# Allegro board TubiiPCB_V6.brd (continued)
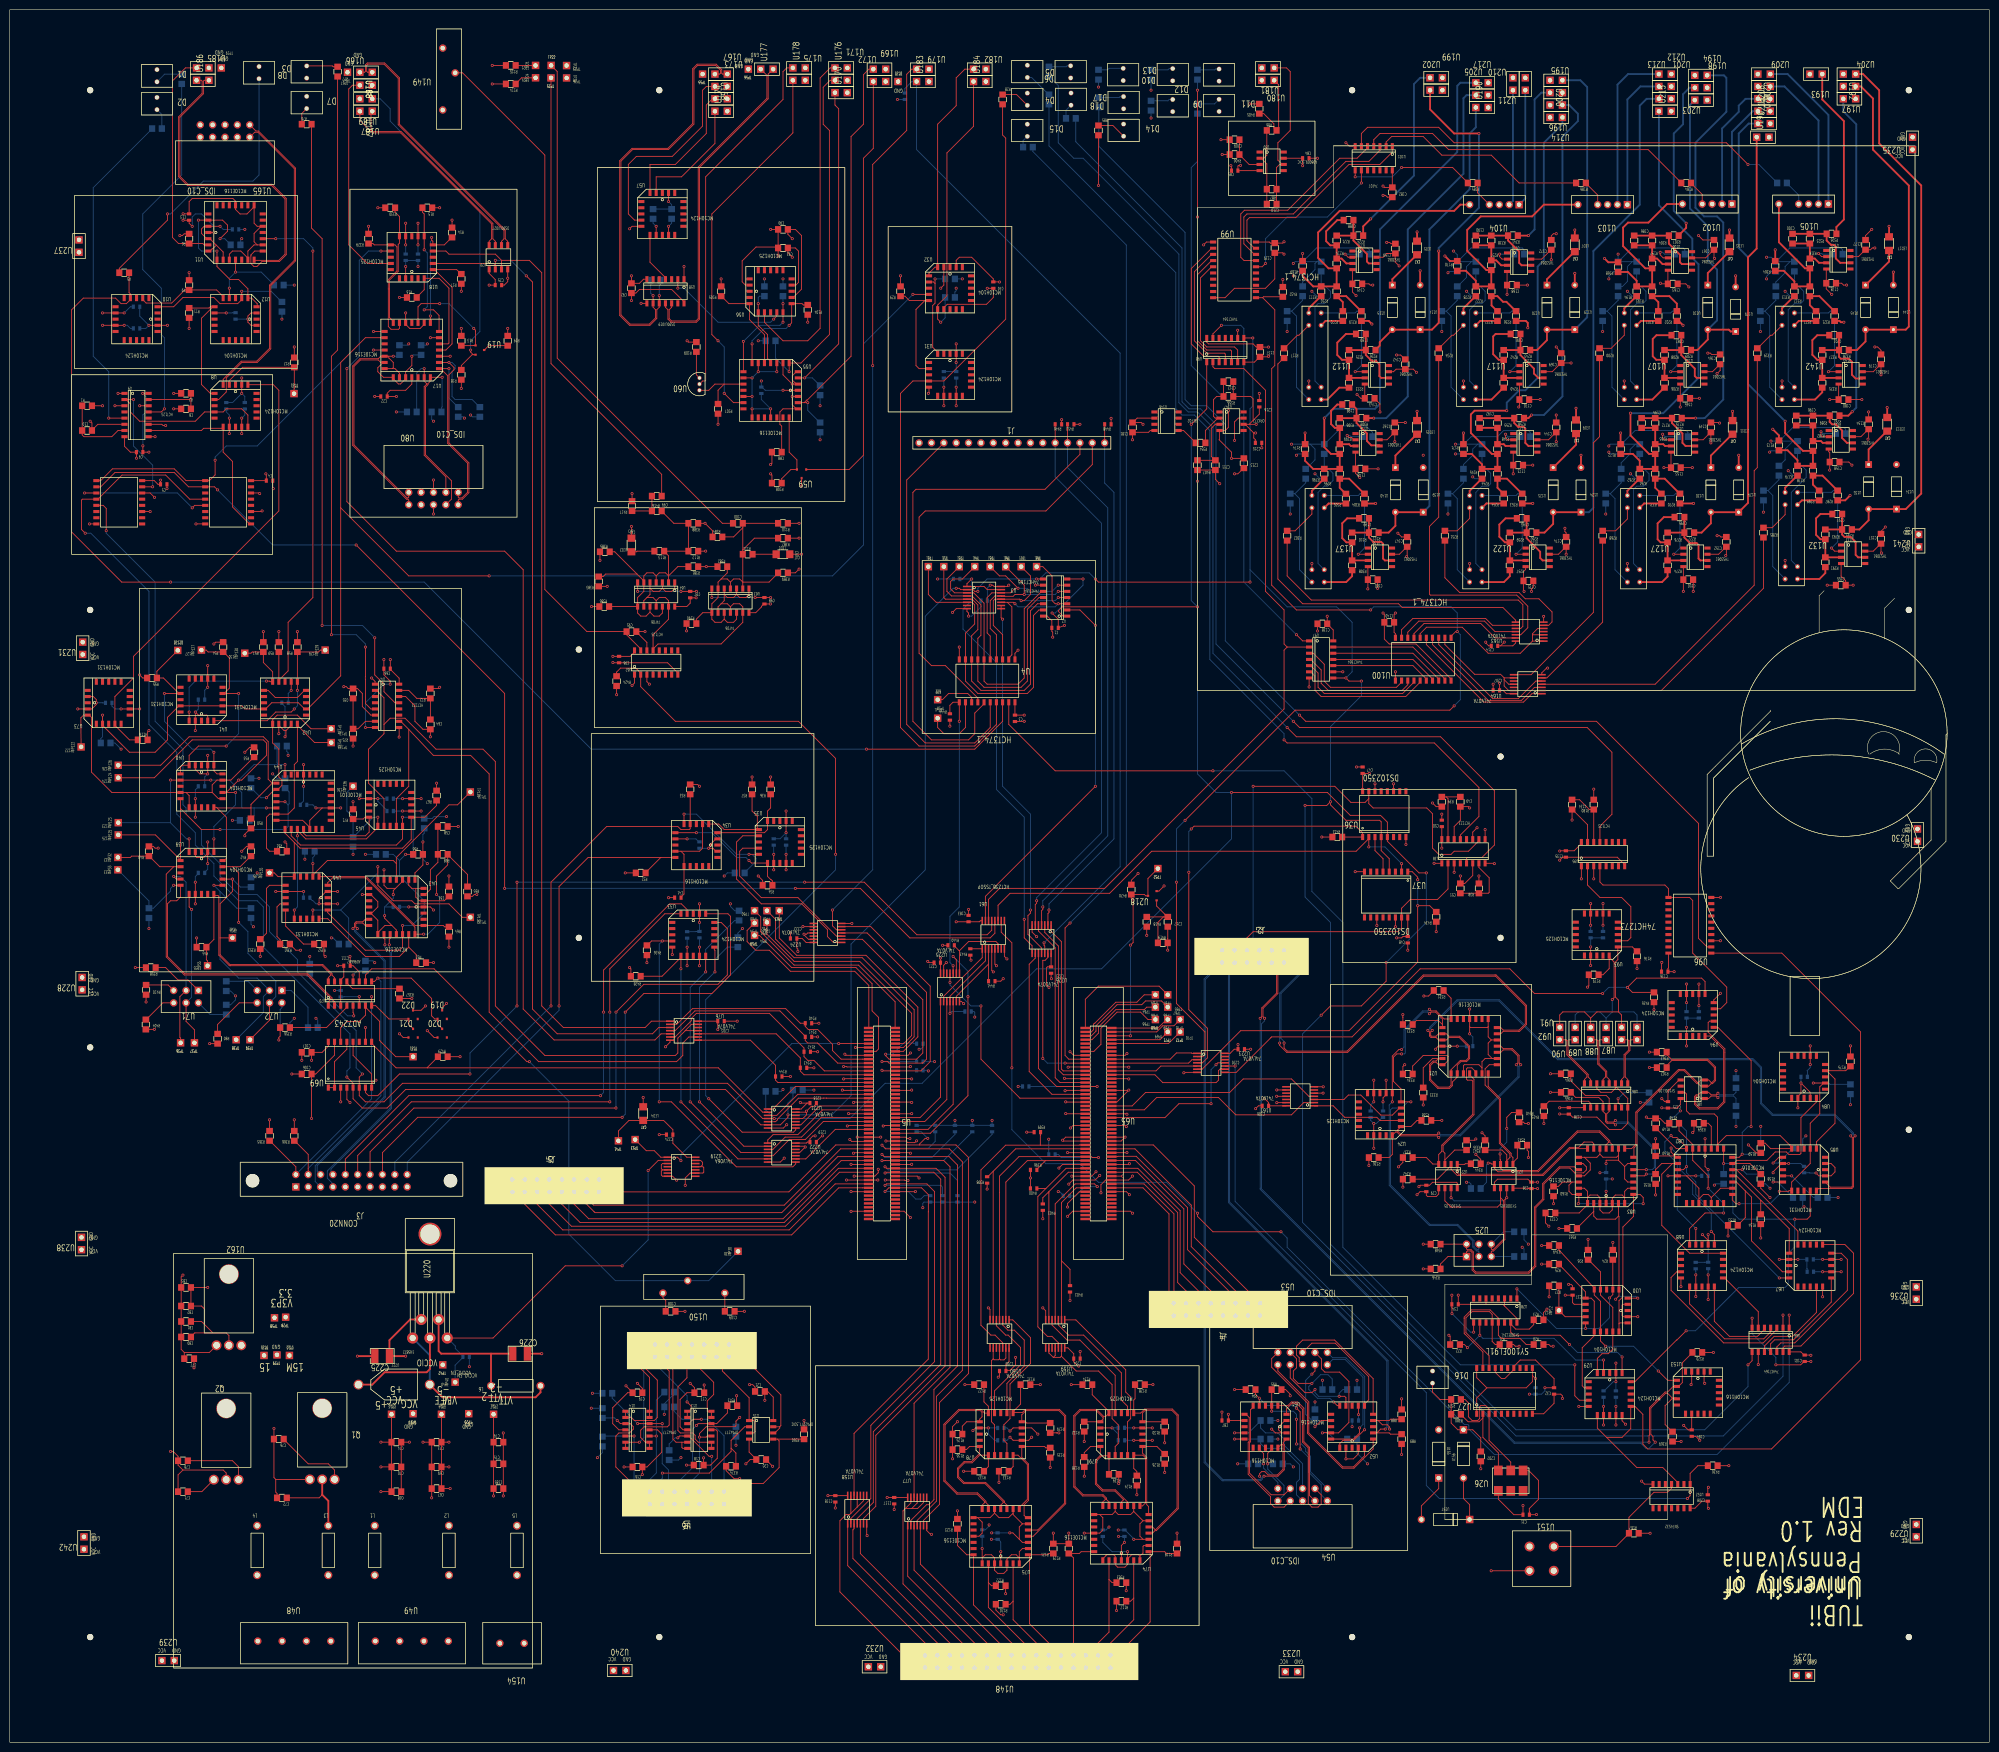
[diagram p0: board, top side]
## Routing (per net, layer and track width the routed paths; a pad name or vN(x,y) marks a point on that pad's centre or on a via; arc(x,y) is an arc through that point) (continued)
  TOP w0.381: v1(311.78,309.25) R241.2
  BOTTOM w0.381: U195.1 314.45,338.58 313.05,337.19 313.05,310.51 v1(311.78,309.25)
UNNAMED_1_FRONTPORTS_I2_SCOP<4>: length 73
  TOP w0.381: v1(312.42,272.42) 311.78,271.78 R258.2
  BOTTOM w0.381: U196.1 320.17,336.04 321.94,334.26 321.94,332.74 318.77,329.56 318.77,276.23 314.96,272.42 v1(312.42,272.42)
UNNAMED_1_FRONTPORTS_I2_SCOP<5>: length 86.8
  TOP w0.381: v1(346.07,271.78) R275.2
  BOTTOM w0.381: U203.1 351.92,342.14 352.42,341.63 352.42,334.64 346.07,328.3 346.07,314.96 347.85,313.18 350.52,313.18 351.79,311.91 351.79,275.59 347.98,271.78 v1(346.07,271.78)
UNNAMED_1_FRONTPORTS_I2_SCOP<6>: length 68.6
  TOP w0.381: v1(378.26,273.09) 377.46,272.29 R292.2
  BOTTOM w0.381: U204.1 376.43,334.77 379.09,332.11 379.09,273.93 v1(378.26,273.09)
UNNAMED_1_FRONTPORTS_I2_SCOP<7>: length 79.1
  TOP w0.381: v1(280.03,271.78) R309.2
  BOTTOM w0.381: v1(280.03,271.78) 282.57,271.78 287.02,276.23 287.02,310.51 298.45,321.94 298.45,337.44 299.08,338.07 U205.1
UNNAMED_1_FRONTPORTS_I2_SMELL_1: length 120.7
  TOP w0.178: J3.16 76.52,121.03 83.76,128.27 v1(125.73,128.27) ; v1(126.37,149.86) 130.18,153.67 144.15,153.67 147.96,157.48 147.96,169.55 147.45,170.05 142.88,170.05
  BOTTOM w0.178: v1(125.73,128.27) 126.37,128.91 v1(126.37,149.86)
UNNAMED_1_FRONTPORTS_I2_SMELL_2: length 106.8
  TOP w0.178: 137.8,170.05 134.49,170.05 123.19,158.75 v1(123.19,149.86) ; J3.12 71.44,120.44 82.44,131.44 v1(123.19,131.44)
  BOTTOM w0.178: v1(123.19,149.86) v1(123.19,131.44)
UNNAMED_1_FRONTPORTS_I2_SMELLIE: length 114
  TOP w0.178: R33.2 U34.7 139.7,187.5 139.52,187.33 137.8,187.33 137.16,187.96 122.56,187.96 111.12,176.53 v1(111.12,151.13)
  BOTTOM w0.178: v1(111.12,151.13) 79.06,119.06 J3.18
UNNAMED_1_FRONTPORTS_I2_SYNC2_1: length 53.7
  TOP w0.178: U188.1 73.46,342.77 73.28,342.95 73.28,344.19 73.51,344.42 76.86,344.42 79.76,341.52 79.76,332 101.47,310.28 101.47,308.58 100.97,308.08 U20.6
UNNAMED_1_FRONTPORTS_I2_SYNC24L: length 54.5
  TOP w0.178: U188.2 72.85,342.77 73.03,342.95 73.03,344.3 73.41,344.68 76.96,344.68 80.01,341.63 80.01,332.11 101.73,310.39 101.73,308.58 102.23,308.08 U20.5
UNNAMED_1_FRONTPORTS_I2_SYNC24N: length 49.9
  TOP w0.178: U17.6 v1(90.17,283.21) 91.21,282.17 91.21,281.71 90.17,280.67 90.17,266.7 94.26,262.61 94.26,256.46 92.94,255.14 92.25,255.14 92.08,254.97 U80.9
  BOTTOM w0.178: R190.2 96.47,274.05 94.93,275.59 91.44,275.59 90.81,276.23 90.81,281.31 91.44,281.94 91.44,282.57 90.81,283.21 v1(90.17,283.21)
UNNAMED_1_FRONTPORTS_I2_SYNC24P: length 41.8
  TOP w0.178: U17.5 88.46,281.94 ; 88.46,281.94 89.92,280.48 89.92,266.59 93.98,262.53 93.98,256.54 92.84,255.4 92.25,255.4 92.08,255.57 U80.10 ; 88.46,281.94 v1(90.17,281.94)
  BOTTOM w0.178: R189.2 92.02,274.05 90.17,275.9 v1(90.17,281.94)
UNNAMED_1_FRONTPORTS_I2_SYNCL_1: length 41.6
  TOP w0.178: 99.7,307.28 99.7,308.08 99.19,308.58 99.19,311.74 80.34,330.59 74.54,330.59 74.17,330.96 74.17,334.52 U187.1
UNNAMED_1_FRONTPORTS_I2_SYNCLVD: length 42.3
  TOP w0.178: U187.2 71.88,332.89 74.43,330.34 80.23,330.34 98.93,311.64 98.93,308.58 98.42,308.08 U20.8
UNNAMED_1_FRONTPORTS_I2_SYNCN: length 38.8
  TOP w0.178: U80.7 90.68,255.14 90.68,258.93 85.34,264.27 85.34,278.13 85.85,278.64 85.85,278.85 86.36,279.36 U17.4 v1(88.77,280.16)
  BOTTOM w0.178: R188.2 88.63,273.95 88.77,274.1 v1(88.77,280.16)
UNNAMED_1_FRONTPORTS_I2_SYNCP: length 37.6
  TOP w0.178: v1(85.09,281.94) U17.3 85.09,279.36 85.6,278.85 85.6,278.74 85.09,278.24 85.09,264.16 89.53,259.72 U80.8
  BOTTOM w0.178: v1(85.09,281.94) 84.45,281.94 83.55,281.04 R187.2
UNNAMED_1_FRONTPORTS_I2_TELLI_1: length 117.3
  TOP w0.178: v1(124.46,130.18) 82.97,130.18 73.98,121.18 J3.14 ; v1(124.46,149.86) 130.18,155.58 145.41,155.58 147.32,157.48 147.32,167 146.05,168.28 144.65,168.28
  BOTTOM w0.178: v1(124.46,149.86) v1(124.46,130.18)
UNNAMED_1_FRONTPORTS_I2_TELLIED: length 102.9
  TOP w0.178: 133.66,181.61 130.54,178.49 R32.2 ; 133.66,181.61 118.75,181.61 112.78,175.64 v1(112.78,151.13) ; 133.66,181.61 U34.13
  BOTTOM w0.178: J3.20 81.6,119.06 112.78,150.24 v1(112.78,151.13)
UNNAMED_1_FRONTPORTS_I2_TELLIEP: length 111.1
  TOP w0.178: 139.06,170.05 139.06,170.91 137.89,172.09 135.51,172.09 121.92,158.5 v1(121.92,149.86) ; J3.10 68.9,119.7 81.92,132.72 v1(121.28,132.72)
  BOTTOM w0.178: v1(121.28,132.72) 121.92,133.35 v1(121.92,149.86)
UNNAMED_1_FRONTPORTS_I2_TTLTO_1: length 28.2
  TOP w0.178: 131.44,318.01 131.44,323.85 136.65,323.85 143,330.2 143,336.04 144.27,337.31 U173.1
UNNAMED_1_FRONTPORTS_I2_TTLTOEC: length 42.1
  TOP w0.178: U167.1 143,339.85 142.24,339.09 142.24,331.72 136.02,325.5 128.65,325.5 127,323.85 127,313.69 128.27,312.42 U57.7
UNNAMED_1_FRONTPORTS_I2_TUBCL_1: length 175.5
  TOP w0.178: R369.1 341.33,63.74 339.85,65.21 339.85,69.09 341.25,70.48 342.26,70.48 342.26,70.5 342.09,70.68 341.31,70.68 340.36,71.63 339.96,71.63 336.92,68.59 336.92,63.2 337.36,62.75 337.36,62.05 v1(337.82,61.59) ; J2.9 260.1,159 260.1,153.78 257.05,150.73 257.05,148.91 v1(256.73,148.59)
  BOTTOM w0.178: v1(256.73,148.59) 256.73,132.53 256.65,132.46 256.65,131.7 256.73,131.63 256.73,113.69 256.72,113.69 256.72,113.48 308.86,61.34 334.9,61.34 335.91,60.32 336.55,60.32 v1(337.82,61.59)
UNNAMED_1_FRONTPORTS_I2_TUBCLKI: length 175.4
  TOP w0.178: J2.10 260.35,161.29 260.35,153.67 257.3,150.62 257.3,148.91 v1(257.62,148.59) ; v1(336.55,61.59) 336.55,62.96 336.66,63.08 336.66,68.69 339.85,71.88 340.36,71.88 341.5,73.03 U153.5 342.58,73.03 343.38,73.83 343.38,77.89 345.46,79.96 R370.1
  BOTTOM w0.178: v1(336.55,61.59) 308.97,61.59 256.98,113.59 256.98,131.74 256.91,131.81 256.91,132.35 256.98,132.42 256.98,147.42 257.62,148.07 v1(257.62,148.59)
UNNAMED_1_FRONTPORTS_I2_TUBIIRT: length 206.7
  TOP w0.178: v1(212.34,164.08) 212.34,163.56 212.49,163.41 U226.12
  BOTTOM w0.178: R447.2 183.77,339.44 185.2,340.87 U183.1 186.18,326.9 227.97,285.12 227.97,179.71 v1(212.34,164.08)
UNNAMED_1_GENERALUTILITIES_I4_1: length 92.3
  TOP w0.178: U223.4 244.86,139.45 245.87,140.46 245.87,146.56 242.06,150.37 v1(242.06,178.56) ; v1(242.57,187.45) 243.14,188.02 276.38,188.02 277.75,186.65 U36.1 R433.1
  BOTTOM w0.178: v1(242.57,187.45) 242.06,186.94 v1(242.06,178.56)
UNNAMED_1_GENERALUTILITIES_I4_G: length 78.7
  TOP w0.178: U223.6 244.81,138.15 252.71,146.05 274.95,146.05 289.05,160.15 v1(289.05,171.7) 291.53,171.7 292.81,170.42 R434.1 ; 287.02,178.69 287.92,178.69 289.05,177.56 v1(289.05,177.04)
  BOTTOM w0.178: v1(289.05,171.7) v1(289.05,177.04)
UNNAMED_1_GTDELAYS_I1_DDGTN: length 25.7
  TOP w0.178: 41.72,294.64 U12.9 ; 41.72,294.64 39.37,292.29 39.37,278.67 41.18,276.86 U8.4 ; 41.72,294.64 41.18,294.64 40.91,294.37 R11.2
UNNAMED_1_GTDELAYS_I1_DDGTP: length 20.7
  TOP w0.178: TP11.1 58.37,277.79 58.42,277.84 R12.2 47.8,282.21 45.08,279.49 U8.2
UNNAMED_1_HCT123_I9_Q1: length 75.3
  TOP w0.178: U9.13 31.11,273.05 v1(31.75,273.69)
  BOTTOM w0.178: R4.1 35.31,321.69 27.31,313.69 27.31,302.26 31.11,298.45 31.11,288.93 31.75,288.29 v1(31.75,273.69)
UNNAMED_1_HCT123_I9_Q2: length 69
  TOP w0.178: U9.5 v1(20.32,271.78)
  BOTTOM w0.178: v1(20.32,271.78) 20.32,281.31 17.14,284.48 17.14,319.08 29.23,331.17 R3.1
UNNAMED_1_HCT123_I22_Q1: length 208.2
  TOP w0.178: U38.13 297.81,186.21 301.62,190.02 301.62,195.96 292.48,205.11 262.25,205.11 v1(261.62,205.74)
  BOTTOM w0.178: R41.1 213.36,327.66 239.4,301.62 239.4,273.69 240.66,272.42 243.21,272.42 246.38,269.24 246.38,222.25 261.62,207.01 v1(261.62,205.74)
UNNAMED_1_HCT123_I22_Q2: length 223.1
  TOP w0.178: v1(262.25,208.28) 264.16,206.38 293.75,206.38 304.8,195.33 304.8,184.15 302.26,181.61 299.26,181.61 299.08,181.43 U38.5
  BOTTOM w0.178: R40.1 213.41,341.9 215.27,340.05 215.27,328.3 218.44,325.12 220.34,325.12 240.03,305.44 240.03,274.95 241.94,273.05 243.84,273.05 247.02,269.88 247.02,223.52 v1(262.25,208.28)
UNNAMED_1_HCT123_I29_CEXT1: length 12
  TOP w0.178: U95.14 R180.2 324.29,191.45 322.29,193.45 C134.2
UNNAMED_1_HCT123_I54_Q1: length 131.5
  TOP w0.178: U47.13 79.09,213.36 76.84,215.62 76.84,217.17 74.93,219.07 v1(74.93,226.69) ; R76.1 61.96,310.78 64.14,308.61 v1(64.14,229.24)
  BOTTOM w0.178: v1(64.14,229.24) 72.39,229.24 v1(74.93,226.69)
UNNAMED_1_HCT123_I54_Q2: length 137.5
  TOP w0.178: R77.1 67.31,285.75 66.04,284.48 v1(66.04,227.33) ; U47.5 74.14,212.09 73.03,213.21 73.03,218.16 73.01,218.17 73.01,218.71 73.03,218.72 v1(73.03,224.79)
  BOTTOM w0.178: v1(73.03,224.79) 73.03,225.43 71.12,227.33 v1(66.04,227.33)
UNNAMED_1_HCT238_I53_A0: length 16.5
  TOP w0.178: U225.2 191.73,153.11 199.65,161.03 U61.1 R443.2
UNNAMED_1_HCT238_I53_A1: length 19.5
  TOP w0.178: v1(193.03,149.61) U225.4 193.03,153.11 200.3,160.38 U61.2
  BOTTOM w0.178: v1(193.03,149.61) 193.41,149.99 R442.2
UNNAMED_1_HCT238_I53_A2: length 17.1
  TOP w0.178: 200.95,159.73 194.34,153.11 U225.6 ; 200.95,159.73 U61.3 ; 200.95,159.73 R441.2
UNNAMED_1_HCT238_I53_E3: length 16.2
  TOP w0.178: U61.6 202.91,163.91 202.48,164.34 196.85,164.34 194.99,162.47 ; 194.99,162.47 194.9,162.47 193.93,163.45 R440.2 ; 194.99,162.47 U225.8
UNNAMED_1_HCT374_I2_Q6: length 8.8
  TOP w0.178: U4.13 197.49,214.45 196.67,215.26 192.75,215.26 191.48,214 TP9.1
UNNAMED_1_HCT374_I2_Q7: length 13.9
  TOP w0.178: TP10.1 190.5,208.28 191.77,207.01 194.94,207.01 196.22,208.28 U4.12
UNNAMED_1_LED1206_I28_A: length 4.9
  TOP w0.178: R111.1 LED1.2
UNNAMED_1_LED1206_I29_A: length 4.8
  TOP w0.178: LED2.2 128.67,244.35 128.8,244.48 R113.1
UNNAMED_1_LEDL_I3_A: length 6
  TOP w0.178: R28.2 206.72,338.19 D4.2
UNNAMED_1_LEDL_I11_A: length 58
  TOP w0.178: v1(32.39,313.69) 32.39,312.42 22.49,302.53 R5.1
  BOTTOM w0.178: v1(32.39,313.69) 33.02,313.69 39.76,320.43 49.92,320.43 51.18,321.69 D3.2
UNNAMED_1_LEDL_I12_A: length 4.6
  BOTTOM w0.178: R79.2 237.78,343.27 238.04,343.52 D10.2
UNNAMED_1_LEDL_I17_A: length 5.9
  BOTTOM w0.178: R41.2 213.31,338.19 209.79,341.7 D5.2
UNNAMED_1_LEDL_I18_A: length 5.7
  BOTTOM w0.178: D1.2 31.79,342.38 R4.2
UNNAMED_1_LEDL_I18_A_1: length 4.5
  BOTTOM w0.178: R40.2 216.89,343.9 217.09,344.1 D6.2
UNNAMED_1_LEDL_I19_A: length 4.3
  BOTTOM w0.178: R3.2 31.23,334.1 D2.2
UNNAMED_1_LEDL_I19_B: length 4.6
  BOTTOM w0.178: D9.1 238.04,337.19 237.77,336.92 R78.1
UNNAMED_1_LEDL_I25_A: length 6.1
  TOP w0.178: R85.2 226.48,331.84 D14.2
UNNAMED_1_LEDL_I32_A: length 3.1
  BOTTOM w0.178: D17.2 216.85,334.98 R181.2
UNNAMED_1_LEDL_I33_A: length 5.2
  BOTTOM w0.178: R182.2 227.79,337.6 227.96,337.77 D18.2
UNNAMED_1_LEDL_I42_B: length 4.8
  BOTTOM w0.178: R82.1 247.35,336.28 D11.1
UNNAMED_1_LEDL_I44_A: length 4.5
  BOTTOM w0.178: D12.2 247.57,343.43 247.4,343.27 R83.1
UNNAMED_1_LEDL_I46_B: length 5.2
  BOTTOM w0.178: D13.1 225.68,343.57 225.38,343.27 R84.1
UNNAMED_1_LEDL_I49_A: length 6.4
  TOP w0.178: D8.2 66.24,344.07 66.41,343.9 R77.2
UNNAMED_1_LEDL_I50_A: length 3.6
  TOP w0.178: R76.2 59.96,334.32 D7.2
UNNAMED_1_LEDL_I102_A: length 2.6
  BOTTOM w0.178: D15.2 208.04,328.73 R367.1
UNNAMED_1_LOGEN_I13_DGT2: length 95.5
  TOP w0.178: R116.2 24.57,205.74 21.59,208.72 U73.7 21.59,214.63 25.4,218.44 25.4,222.88 55.25,252.73 55.25,277.5 54.1,278.64 U8.19
UNNAMED_1_LOGEN_I13_LOSTAR2: length 108.8
  TOP w0.178: U42.12 55.25,218 ; 55.25,218 57.15,219.9 57.15,229.87 62.23,234.95 v1(62.23,306.07) ; 55.25,218 R59.2 ; U11.14 v1(54.61,308.61)
  BOTTOM w0.178: v1(62.23,306.07) 62.23,306.7 60.33,308.61 v1(54.61,308.61)
UNNAMED_1_MC10E016_I48_TCLD: length 6.4
  TOP w0.178: U82.28 349.33,126.41 348.69,127.05 R359.2
UNNAMED_1_MC10E116_I1_D0: length 30.6
  TOP w0.178: U83.6 332.18,113.71 331.55,113.08 331.55,111.81 ; 331.55,111.81 331.04,112.32 329.64,112.32 329.01,111.68 U83.2 329.01,109.27 328.37,108.63 327.1,108.63 326.47,109.27 U83.28 326.47,111.81 325.95,112.32 324.44,112.32 323.93,111.81 ; 331.55,111.81 U83.4 ; 323.93,111.81 323.93,113.08 323.29,113.71 U83.24 ; 323.93,111.81 U83.26 323.93,110.35 322.21,108.63 C123.2
UNNAMED_1_MC10E116_I1_Q0: length 38
  TOP w0.178: v1(329.64,127.62) 329.32,127.3 328.04,127.3 327.86,127.48 327.86,128.98 328.37,129.49 U86.13 328.37,132.13 327.74,132.76 323.47,132.76 320.48,135.75 R164.2 ; U83.8 335.62,116.25 v1(335.99,116.62)
  BOTTOM w0.178: v1(335.99,116.62) 337.49,116.62 337.9,117.03 337.9,121.69 332.29,127.3 329.96,127.3 v1(329.64,127.62)
UNNAMED_1_MC10E116_I1_Q0_1: length 32.6
  TOP w0.178: v1(335.99,117.52) U83.9 ; R165.2 320.48,133.35 321.47,132.36 326.24,132.36 327.1,131.49 U86.12 327.1,129.49 327.61,128.98 327.61,127.37 327.93,127.05 329.32,127.05 v1(329.64,126.73)
  BOTTOM w0.178: v1(329.64,126.73) 329.96,127.05 332.18,127.05 337.64,121.59 337.64,117.93 337.23,117.52 v1(335.99,117.52)
UNNAMED_1_MC10E116_I1_Q3: length 25.2
  TOP w0.178: U17.18 78.74,291.66 77.98,292.42 77.98,298.22 77.98,298.44 77.98,300.12 79.76,301.9 79.76,307.43 80.01,307.69 U18.13 80.01,313.15 79.11,314.06 R330.2
UNNAMED_1_MC10E116_I1_Q3_1: length 26.9
  TOP w0.178: R329.2 74.56,307.61 74.83,307.34 U18.14 79.09,307.34 79.5,306.92 79.5,302.01 77.72,300.23 77.72,298.44 77.72,298.22 77.72,290.58 78.28,290.02 79.83,290.02 80.01,290.19 U17.17
UNNAMED_1_MC10E116_I2_D0: length 17.5
  TOP w0.178: 42.42,307.27 43.81,305.88 U11.6 ; 42.42,307.27 41.69,306.54 41.56,306.54 41.08,306.07 U11.4 ; 42.42,307.27 41.08,308.61 U11.2 40.45,308.61 39.37,309.69 39.37,310.61 39.91,311.15 U11.28 v1(43.18,311.15)
  BOTTOM w0.178: v1(43.18,311.15) 43.81,310.51 C11.2
UNNAMED_1_MC10E116_I2_Q0: length 17.4
  TOP w0.178: v1(46.36,301.75) U11.8 ; v1(45.08,298.45) U12.7
  BOTTOM w0.178: v1(45.08,298.45) 45.08,300.48 v1(46.36,301.75) 51.63,301.75 54.24,299.14 R8.2
UNNAMED_1_MC10E116_I3_Q0: length 43.4
  TOP w0.178: R128.1 231.03,70.5 230.76,70.23 230.76,67.56 232.18,67.56 233.01,68.4 238.67,68.4 239.9,67.16 239.9,47.94 235.4,43.43 235.12,43.43 234.61,42.93 233.81,42.93
UNNAMED_1_MC10E116_I3_Q0_1: length 41
  TOP w0.178: 233.81,44.2 234.61,44.2 235.12,43.69 235.29,43.69 239.65,48.04 239.65,67.06 238.56,68.15 233.12,68.15 232.54,67.56 U79.13 R130.1
UNNAMED_1_MC10E116_I3_Q1: length 17.8
  TOP w0.178: R124.1 231.39,55.58 230.76,56.21 230.76,58.93 232.62,58.93 233.17,58.37 233.17,49.12 232.56,48.51 U74.12
UNNAMED_1_MC10E116_I3_Q1_1: length 19.7
  TOP w0.178: R126.1 237.06,59.17 235.52,60.71 U79.9 232.54,59.37 233.43,58.48 233.43,48.77 233.81,48.38 233.81,46.74
UNNAMED_1_MC10E116_I3_Q2: length 20.4
  TOP w0.178: U74.14 229.49,49.31 226.99,51.82 224.41,51.82 223.14,53.09 223.14,57.77 223.95,58.58 223.99,58.58 224.21,58.8 225.55,58.8 U79.4 R139.1
UNNAMED_1_MC10E116_I3_Q2_1: length 21.4
  TOP w0.178: R138.1 220.6,59.44 221.87,60.71 U79.3 223.9,58.89 222.88,57.88 222.88,52.98 224.3,51.56 226.88,51.56 228.67,49.77 228.22,49.31 U74.15
UNNAMED_1_MC10E116_I3_Q3: length 39.7
  TOP w0.178: U74.18 224.41,49.31 224.92,49.82 224.92,50 224.37,50.55 220.29,50.55 218.44,52.4 218.44,67.06 219.71,68.33 223.14,68.33 224.57,66.89 225.01,66.89 U79.18 225.68,67.88 222.23,71.33 R134.1
UNNAMED_1_MC10E116_I3_Q3_1: length 35
  TOP w0.178: R132.1 U79.19 224.48,66.37 224.48,66.62 223.03,68.07 219.82,68.07 218.69,66.95 218.69,52.5 220.4,50.8 224.48,50.8 225.17,50.11 225.17,49.82 225.68,49.31 U74.17
UNNAMED_1_MC10E116_I4_Q0: length 44.6
  TOP w0.178: R129.2 208.8,65.52 208.53,65.79 U78.13 207.77,67.2 208.64,68.07 215.39,68.07 216.53,66.93 216.53,49.06 211.04,43.56 U75.9
UNNAMED_1_MC10E116_I4_Q0_1: length 46.7
  TOP w0.178: R131.2 207.53,69.42 205.99,67.88 U78.14 206.12,67.69 207.9,67.69 208.53,68.33 215.5,68.33 216.79,67.04 216.79,48.95 210.13,42.29 U75.8
UNNAMED_1_MC10E116_I4_Q1: length 17.2
  TOP w0.178: U75.12 207.26,48.2 208.91,49.85 208.91,57 206.99,58.93 U78.8 205.99,56.58 205.09,55.68 R133.2
UNNAMED_1_MC10E116_I4_Q1_1: length 22
  TOP w0.178: R135.2 212.71,60.44 212.44,60.71 U78.9 207.77,58.51 209.17,57.11 209.17,49.66 208.25,48.74 208.25,46.57 208.72,46.1 209.04,46.1
UNNAMED_1_MC10E116_I4_Q2: length 26.1
  TOP w0.178: U75.15 203.45,48.68 203.96,49.19 203.96,49.36 200.24,53.09 195.83,53.09 194.56,54.36 194.56,56.24 195.93,57.6 197.45,57.6 199.14,59.29 U78.3 197.05,60.71 196.42,60.07 R136.2
UNNAMED_1_MC10E116_I4_Q2_1: length 25.9
  TOP w0.178: U75.14 204.72,48.68 204.22,49.19 204.22,49.47 200.35,53.34 195.94,53.34 194.82,54.46 194.82,56.14 196.03,57.35 197.56,57.35 199.14,58.93 U78.4 200.91,56.58 200.01,55.68 R137.2
UNNAMED_1_MC10E116_I4_Q3: length 40
  TOP w0.178: R125.2 195.56,64.88 196.47,65.79 U78.19 199.14,66.32 199.61,66.8 199.61,67.72 199.26,68.07 194.94,68.07 192.02,65.15 192.02,53.72 194.56,51.18 198.7,51.18 200.41,49.47 200.41,49.19 200.91,48.68 U75.17
UNNAMED_1_MC10E116_I4_Q3_1: length 40.4
  TOP w0.178: R127.2 200.01,69.87 200.91,68.96 U78.18 200.13,67.56 199.37,68.33 194.84,68.33 191.77,65.26 191.77,53.61 194.46,50.93 198.59,50.93 200.15,49.36 200.15,49.19 199.64,48.68 U75.18
UNNAMED_1_MC10E116_I22_D3: length 16.1
  TOP w0.178: R108.2 158.48,259.35 160.37,261.24 U59.2 161.61,263.21 160.02,264.8 U55.25
UNNAMED_1_MC10E116_I22_Q0: length 15.9
  TOP w0.178: v1(153.67,295.27) U56.4 153.67,290.83 155.58,288.93 155.58,284.04 156.21,283.4 U55.8
  BOTTOM w0.178: R103.2 153.94,296.81 153.67,296.55 v1(153.67,295.27)
UNNAMED_1_MC10E116_I22_Q0_1: length 19.9
  TOP w0.178: R105.2 146.1,296.81 147.64,295.27 U56.3 151.89,291.97 154.94,288.93 U55.9
UNNAMED_1_MC10E116_I22_Q1: length 21.6
  TOP w0.178: U55.11 v1(152.4,287.02) ; v1(160.02,290.83) 160.53,291.34 U56.9 162.66,295.27 162.93,295.01 R104.2
  BOTTOM w0.178: v1(160.02,290.83) 159.37,290.18 154.93,290.18 152.4,287.66 v1(152.4,287.02)
UNNAMED_1_MC10E116_I22_Q1_1: length 21.3
  TOP w0.178: U55.12 v1(150.62,287.53) ; v1(158.75,295.27) U56.8 v1(158.75,291.47)
  BOTTOM w0.178: v1(150.62,287.53) 153.91,290.82 158.12,290.82 158.12,290.83 v1(158.75,291.47) ; v1(158.75,295.27) R106.2
UNNAMED_1_MC10E116_I22_Q2: length 14.1
  TOP w0.178: R107.2 145.41,277.5 146.69,278.76 ; 146.69,278.76 144.78,278.76 143.51,277.5 U60.1 ; 146.69,278.76 U55.14
UNNAMED_1_MC10E116_I63_Q0: length 49.3
  TOP w0.178: v1(62.23,180.34) 62.23,177.99 ; 62.23,177.99 62.23,177.67 ; 62.23,177.99 65.21,180.97 78.74,180.97 79.38,180.34 ; TP131.1 91.92,192.41 90.17,192.41 79.38,181.61 79.38,180.34 ; 79.38,180.34 U43.8
  BOTTOM w0.178: R73.1 62.6,181.98 62.23,181.61 v1(62.23,180.34)
UNNAMED_1_MC10E116_I63_Q1: length 52.7
  TOP w0.178: TP132.1 92.94,169.32 90.17,172.09 83.19,172.09 82.55,172.72 78.74,172.72 75.56,175.9 U43.11 v1(75.56,179.71) ; U46.17 v1(62.23,170.81)
  BOTTOM w0.178: v1(75.56,179.71) 75.56,178.44 67.95,170.81 ; R74.1 69.58,169.18 67.95,170.81 ; 67.95,170.81 v1(62.23,170.81)
UNNAMED_1_MC10H104_I4_A2: length 42
  TOP w0.178: U153.4 340.36,74.3 v1(338.45,76.2) ; v1(327.66,81.28) 326.57,82.37 U30.15 326.57,90.52 325.3,91.79 U30.8 325.3,93.25 324.83,93.72 318.05,101.05 R349.2
  BOTTOM w0.178: v1(327.66,81.28) 333.38,81.28 v1(338.45,76.2)
UNNAMED_1_MC10H131_I17_CE1: length 9.8
  TOP w0.178: U42.8 60.52,215.9 59.07,214.45 54.5,214.45 53.05,215.9 U42.14
UNNAMED_1_MC10H131_I59_CC: length 9
  TOP w0.178: v1(365.84,116.25) U85.12
  BOTTOM w0.178: v1(365.84,116.25) 370.28,111.81 R362.1
UNNAMED_1_MC10H131_I59_D1: length 7.9
  TOP w0.178: v1(362.03,118.88) 363.2,120.06 U85.9
  BOTTOM w0.178: v1(362.03,118.88) 363.07,118.88 366.11,121.92 R360.2
UNNAMED_1_MC10H131_I59_D2: length 7.5
  TOP w0.178: U85.13 v1(362.03,114.98)
  BOTTOM w0.178: R361.2 366.11,111.86 362.98,114.98 v1(362.03,114.98)
UNNAMED_1_MC10H131_I62_CC: length 9.9
  TOP w0.178: U46.12 55.5,172.09 54.86,171.45 54.86,165.38 55.51,164.73 R351.1
UNNAMED_1_MC10H131_I62_D1: length 15.2
  TOP w0.178: U46.9 53.34,175.9 52.7,175.26 52.7,166.05 51.49,164.83 R353.1
UNNAMED_1_MC10H131_I62_D2: length 10.7
  TOP w0.178: U46.13 56.64,167.51 60.33,163.83 R352.1
UNNAMED_1_MICROZEDMODULE_I1_M_1: length 143.5
  TOP w0.178: 81.92,207.9 81.92,196.22 79.38,193.68 79.38,188.09 ; 81.92,207.9 80.26,209.55 U47.10 ; 81.92,207.9 86.96,202.56 94.62,202.56 98.42,198.75 98.42,149.86 108.59,139.7 136.91,139.7 138.18,140.97 138.18,143.51 139.42,144.75 U76.9
UNNAMED_1_MICROZEDMODULE_I1_M_2: length 161.5
  TOP w0.178: 138.69,146.06 137.16,144.53 137.16,141.48 136.65,140.97 109.86,140.97 99.7,151.13 99.7,201.3 97.16,203.83 87.5,203.83 81.15,210.19 78.11,210.19 76.84,208.92 ; 138.69,146.06 138.69,146.09 139.95,147.36 U76.13 ; 138.69,146.06 U76.11 ; 76.84,208.92 76.84,214.38 75.31,215.9 U47.2 ; 76.84,208.92 76.84,207.01 73.66,203.83 73.66,196.85 76.84,193.68 76.84,188.09
UNNAMED_1_MICROZEDMODULE_I1_MTC: length 90.7
  TOP w0.178: R429.2 87.9,140.67 85.73,138.49 85.73,138.43 ; U69.9 74.3,143.45 79.31,138.43 85.73,138.43 ; 85.73,138.43 145.47,138.43 154.58,129.32 U221.2
UNNAMED_1_MICROZEDMODULE_I1_VCC: length 79.7
  TOP w0.178: U219.2 133.14,119.43 v1(131.06,117.35) ; U220.5 99.23,82.97 114.05,97.79 v1(125.73,97.79)
  BOTTOM w0.178: TP40.1 91.44,77.39 93.04,78.99 R421.2 93.04,79.25 91.48,80.81 91.48,81.32 U220.5 ; v1(125.73,97.79) 131.06,103.12 v1(131.06,117.35)
UNNAMED_1_MMBTH81_I9_C: length 5.2
  TOP w0.178: U19.3 97.45,285.76 98.34,286.65 R19.1
UNNAMED_1_MPSH81_I17_C: length 5.6
  TOP w0.178: U60.3 140.97,280.67 R109.2
UNNAMED_1_OPA277_I2_IN: length 16.3
  TOP w0.178: U147.2 248.03,271.78 ; 248.03,271.78 245.48,269.22 R354.2 ; 248.03,271.78 247.5,271.78 247.14,272.13 247.14,275.59 247.78,276.23 R355.1 C212.1
UNNAMED_1_PICKERING113FC_I60_CN: length 5.3
  BOTTOM w0.178: U105.4 367.28,317.56 364.86,319.99 R183.2
UNNAMED_1_PICKERING113FC_I61_CN: length 5.3
  TOP w0.178: U102.4 347.47,317.69 345.17,319.99 R184.2
UNNAMED_1_PICKERING113FC_I62_CN: length 5.5
  TOP w0.178: U104.4 301.36,318.02 R185.2
UNNAMED_1_PICKERING113FC_I63_CN: length 5.5
  TOP w0.178: R186.2 323.58,319.99 326.01,317.56 U103.4
UNNAMED_1_REF02_I1_VOUT: length 4.6
  TOP w0.178: U146.5 240.99,269.24 243.47,266.75 R354.1
UNNAMED_1_RESL_I7_A: length 10
  TOP w0.381: R321.1 374.6,293.74 371.52,296.81 R312.2 369.57,294.95 370.79,293.74 R322.1
UNNAMED_1_RESL_I7_A_1: length 10.8
  TOP w0.381: 337.24,296.81 338.45,295.6 R203.1 ; 337.24,296.81 R193.2 ; 337.24,296.81 340.73,296.81 342.26,295.27 R202.1
UNNAMED_1_RESL_I7_A_2: length 9.9
  TOP w0.381: 272.47,296.81 274.37,296.81 277.44,293.74 R219.1 ; 272.47,296.81 R210.2 ; 272.47,296.81 273.69,295.6 R220.1
UNNAMED_1_RESL_I7_A_3: length 10
  TOP w0.381: 304.22,296.81 305.42,296.81 306.58,295.66 307.27,295.66 309.19,293.74 R236.1 ; 304.22,296.81 R227.2 ; 304.22,296.81 304.22,294.9 305.38,293.74 R237.1
UNNAMED_1_RESL_I7_A_4: length 10
  TOP w0.381: R253.1 310.46,256.27 307.39,259.35 R244.2 305.44,257.49 306.65,256.27 R254.1
UNNAMED_1_RESL_I7_A_5: length 10
  TOP w0.381: R270.1 342.85,256.27 339.77,259.35 R261.2 337.82,257.49 339.04,256.27 R271.1
UNNAMED_1_RESL_I7_A_6: length 10
  TOP w0.381: R287.1 375.23,256.91 372.16,259.98 R278.2 370.2,258.12 371.42,256.91 R288.1
UNNAMED_1_RESL_I7_A_7: length 10
  TOP w0.381: R304.1 278.08,256.26 274.99,259.35 R295.2 273.05,257.47 274.27,256.26 R305.1
UNNAMED_1_RESL_I10_B: length 4.8
  TOP w0.178: U141.2 371.98,304.93 v1(371.35,305.56)
  BOTTOM w0.178: R320.2 372.11,305.44 371.98,305.56 v1(371.35,305.56)
UNNAMED_1_RESL_I10_B_1: length 5.6
  TOP w0.178: v1(338.84,305.82) 338.84,305.29 339.46,304.67 U106.2
  BOTTOM w0.178: R201.2 339.74,305.44 339.36,305.82 v1(338.84,305.82)
UNNAMED_1_RESL_I10_B_2: length 4.8
  TOP w0.178: v1(274.14,305.44) 274.78,304.8 U111.2
  BOTTOM w0.178: v1(274.14,305.44) R218.2
UNNAMED_1_RESL_I10_B_3: length 5.3
  TOP w0.178: U116.2 306.37,304.42 305.88,304.91 v1(305.88,305.44)
  BOTTOM w0.178: v1(305.88,305.44) R235.2
UNNAMED_1_RESL_I10_B_4: length 5.8
  TOP w0.178: v1(307.09,268.48) 307.09,267.72 307.47,267.33 U121.2
  BOTTOM w0.178: R252.2 307.59,267.97 v1(307.09,268.48)
UNNAMED_1_RESL_I10_B_5: length 6
  TOP w0.178: v1(339.34,268.48) 339.34,267.72 339.72,267.33 U126.2
  BOTTOM w0.178: v1(339.34,268.48) 339.85,267.97 R269.2
UNNAMED_1_RESL_I10_B_6: length 5.7
  TOP w0.178: U131.2 372.11,267.97 371.86,268.22 v1(371.86,268.99)
  BOTTOM w0.178: R286.2 372.24,268.61 v1(371.86,268.99)
UNNAMED_1_RESL_I10_B_7: length 5.4
  TOP w0.178: U136.2 275.97,267.33 275.5,267.81 274.99,267.81 v1(274.57,268.22)
  BOTTOM w0.178: v1(274.57,268.22) 275.1,268.22 275.35,267.97 R303.2
UNNAMED_1_RESL_I11_A: length 10.4
  TOP w0.381: C200.1 R323.1 R316.2 370.58,304.53 371.45,303.66 372.94,303.66
UNNAMED_1_RESL_I11_A_1: length 10.1
  TOP w0.381: U106.3 339.32,303.4 338.19,304.53 R197.2 R204.1 C186.1
UNNAMED_1_RESL_I11_A_2: length 15.5
  TOP w0.381: C188.1 272.54,312.42 270.26,310.13 270.26,308.1 271.11,307.24 R221.1 R214.2 273.42,304.53 274.42,303.53 U111.3
UNNAMED_1_RESL_I11_A_3: length 9.9
  TOP w0.381: C190.1 R238.1 R231.2 305.17,304.17 306.19,303.15 U116.3
UNNAMED_1_RESL_I11_A_4: length 10.4
  TOP w0.381: U121.3 307.09,266.06 306.72,266.43 R248.2 R255.1 C192.1
UNNAMED_1_RESL_I11_A_5: length 9.5
  TOP w0.381: C194.1 R272.1 R265.2 339.46,266.43 339.83,266.06 U126.3
UNNAMED_1_RESL_I11_A_6: length 10
  TOP w0.381: U131.3 372.21,266.7 371.85,267.07 R282.2 R289.1 C196.1
UNNAMED_1_RESL_I11_A_7: length 14.4
  TOP w0.381: U136.3 275.33,266.06 274.97,266.43 R299.2 R306.1 272.04,269.78 271.27,270.55 271.27,273.3 272.54,274.57 C198.1
UNNAMED_1_RESL_I11_B: length 16.6
  TOP w0.381: 377.89,303.66 375.79,303.66 374.9,304.55 374.9,306.96 374.52,307.34 373.91,307.34 373.01,308.24 R326.1 R323.2 C200.2
